# KiCad board Z3660_v021b.kicad_pcb (continued)
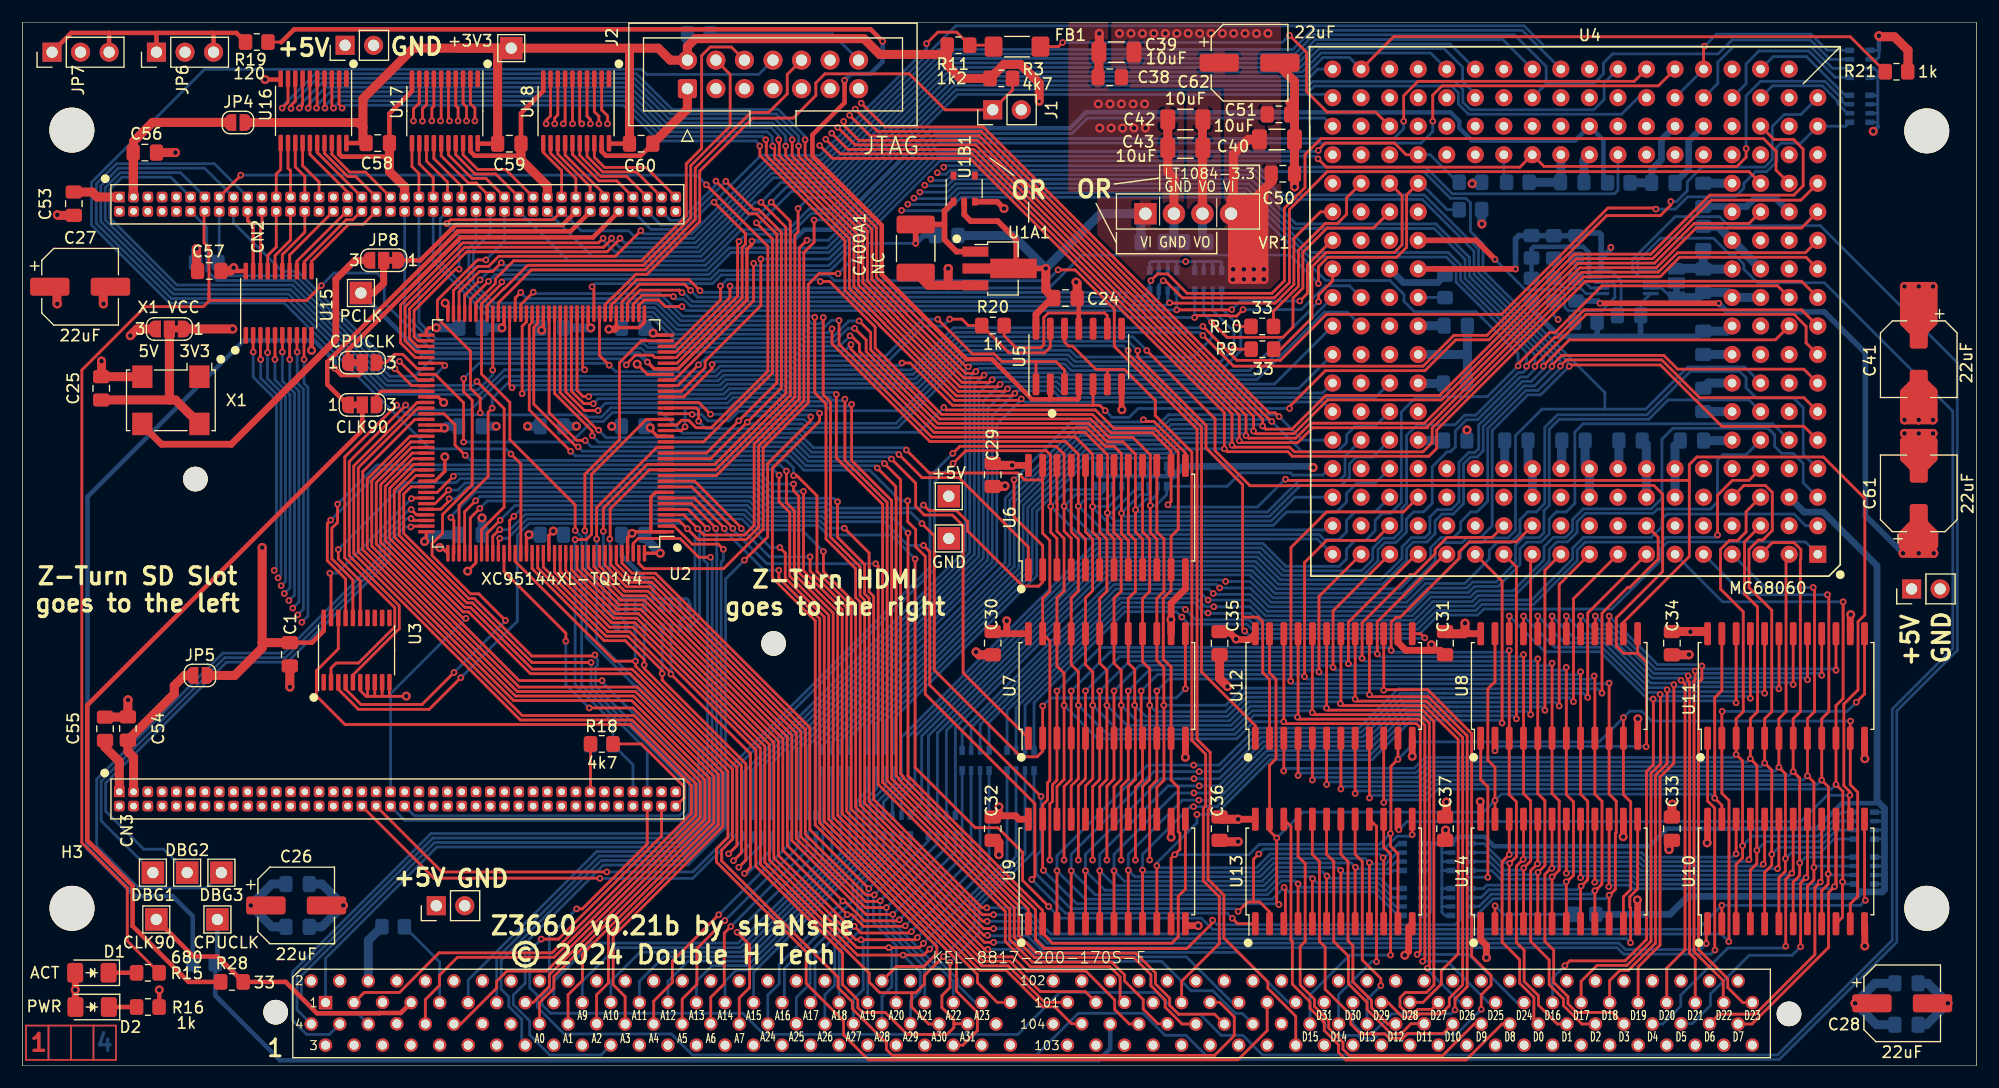
[diagram p0: board, top side]
## Routing (per net, layer and track width the routed paths; a pad name or vN(x,y) marks a point on that pad's centre or on a via; arc(x,y) is an arc through that point) (continued)
  In1.Cu w0.3: CN2.70 CN2.71 ; CN3.24 23.86,24.36 ; CN2.30 CN2.31 ; CN3.34 CN3.35 ; CN2.60 CN2.61 ; CN2.40 34.02,77.3 ; CN2.20 CN2.21
  Bottom w0.25: 164.94,86.36 RN2.1 165.14,86.36 ; U1.5 141.41,70.71 142.29,69.82 142.29,67.1 C63.2 ; CN3.67 50.56,24.4 R1.2 ; RN1.4 165.14,87.96 ; 165.14,87.96 165.14,86.36 ; 165.14,87.96 165.14,88.46 164.84,88.76 RN1.3 ; RN2.3 165.14,84.76 ; 165.14,84.76 165.14,83.96 ; 165.14,84.76 165.14,85.56 ; 165.14,83.96 165.14,83.56 ; 165.14,83.96 RN2.4 ; RN2.2 165.14,85.56 ; 165.14,85.56 165.14,86.36 ; JP12.1 146.74,68.35 145.88,69.21 U1.9
  Bottom w0.4: v1(164.74,83.16) 165.14,83.56
  Bottom w0.5: NT1.2 140.51,71.86 ; 140.51,71.86 140.51,70.93 140.53,70.91 ; 140.51,71.86 140.56,71.86 141.38,72.67 v2(141.38,72.82)
  Bottom w0.6: C47.2 153.47,76.45 154.21,77.2 156.04,77.2 U4.110 ; U4.132 145.88,82.39 145.88,80.63 145.01,79.76 145.01,78.55 C46.2
  Bottom w0.8: U4.47 134.39,52.98 134.01,53.37 C19.2 ; C20.2 144.54,55.26 144.54,53.14 U4.20 U4.43 ; U4.186 152.17,58.21 C17.2 ; C9.2 v1(45.09,47.24) ; C13.2 26.65,16.15 v1(28.55,14.25) 26.65,12.34 C11.2 ; C23.2 139.09,53.45 139.47,53.06 U4.45 ; 128.61,63.27 128.61,60.77 C16.2 ; 128.61,63.27 C49.2 ; 128.61,63.27 128.6,63.28 U4.191 ; U4.99 150.92,74.7 C48.2 ; C52.2 C44.2 ; C7.2 55.52,56.77 v1(55.88,56.77) ; C3.2 55.66,65.66 v1(56.13,65.19) ; U4.93 152.23,68.36 151.79,68.81 C21.2 149.14,68.35 JP12.1 ; C4.2 v1(42.67,65.66) ; CN1.10 30.78,11.14 R13.2 ; VR1.2 102.49,73.28 ; R17.1 15.41,72.63 v1(15.49,72.72) ; C2.2 50.58,65.66 v1(50.59,65.65) ; 145.01,78.55 145,78.56 R12.2 ; C12.2 169.6,7.32 v1(171.37,5.54) 169.47,3.63 C14.2 ; v1(49.3,56.91) 49.29,56.9 C6.2 ; C15.2 152.17,63.29 U4.190 ; U4.206 138.98,80.57 C45.2 ; C8.2 36.39,47.24 v1(35.79,46.65) ; v1(56.77,45.59) 55.39,46.97 C10.2 ; C22.2 128.57,56.57 v1(128.57,56.57) ; C5.2 37.72,56.9 v1(37.56,56.74) ; U4.42 U4.20 147.09,53.13 147.09,55.16 C18.2
  vias: v1(95.76,85.59) v1(95.89,83.44) v1(96.8,85.59) v1(96.9,83.44) v1(97.81,85.59) v1(97.92,83.44) v1(98.86,85.59) v1(98.93,83.44) v1(99.88,85.59) v1(99.95,83.44)
FC0: length 91.9
  Top w0.25: U2.85 35.13,59.01 29.49,53.37 29.49,45.58 36.5,38.57 36.5,38.56 38.24,36.82 38.25,36.82 44.31,30.75 54.27,30.75 59.94,25.08 59.94,22.26 47.31,9.63 38.72,9.63 37.11,8.03 37.11,7.12 35.86,5.87 CN1.20
FC1: length 87.7
  Top w0.25: CN1.24 39,3.7 42.21,6.9 42.21,7.49 43.12,8.41 46.65,8.41 60.34,22.09 60.34,25.25 54.43,31.15 44.48,31.15 38.41,37.22 38.41,37.22 36.9,38.73 36.9,38.74 29.89,45.74 29.89,53.2 35.2,58.51 U2.86
FC2: length 110
  Top w0.25: v2(68.63,52.51) 68.92,52.51 70.71,50.72 70.71,43.97 73.76,40.92 73.76,22.82 85.62,10.96 v2(86.44,10.96) ; U2.87 37.52,58.01 38.5,57.03 38.5,55.23 v2(39.41,54.31)
  Bottom w0.25: v2(39.41,54.31) 39.87,53.85 67.99,53.85 68.63,53.21 v2(68.63,52.51) ; CN1.125 107.67,5.6 103.6,9.67 90.74,9.67 89.45,10.96 v2(86.44,10.96)
FPGA_PRESENCE: length 28.2
  Top w0.25: v2(33.15,62.01) 34.65,60.51 U2.82
  Bottom w0.25: v2(33.15,62.01) 32.6,62.01 24.34,70.28 17.73,70.28 17.41,70.6 R17.2 17.41,71.45 17.51,71.55 CN2.16
I2C0_CLK: length 246.7
  Top w0.25: CN3.78 56.88,20.42 47.71,11.25 v2(46.18,11.25)
  Bottom w0.25: v2(46.18,11.25) 45.15,10.22 45.15,6.93 45.83,6.25 45.83,5.19 48.2,2.81 57.75,2.81 59.63,0.94 90.26,0.94 93.97,4.65 99.74,4.65 101.69,2.69 103.56,2.69 105.71,0.54 156.38,0.54 166.83,10.99 166.83,31.57 172.21,36.95 172.21,62.56 160.02,74.75 151.84,74.75 151.04,75.56 147.11,75.56 143.31,71.76 143.31,70.83 143.93,70.21 U1.7
I2C0_SDA: length 238
  Top w0.25: CN3.76 55.61,19.72 49.83,13.94 v2(49.33,13.94)
  Bottom w0.25: v2(49.33,13.94) 46.9,11.51 46.9,6.89 46.23,6.22 46.23,5.43 47.01,4.65 64.11,4.65 65.99,2.77 88.6,2.77 92.33,6.5 100.97,6.5 102.9,4.57 104.8,4.57 106.68,2.69 108.61,2.69 110.36,0.94 156.21,0.94 166.43,11.16 166.43,31.73 171.81,37.12 171.81,58.23 160.38,69.67 154.43,69.67 153.21,70.89 153.21,71.33 152.34,72.21 151.94,72.21 150.51,73.63 145.8,73.63 143.76,71.6 143.76,70.94 144,70.71 U1.6
INT6_ARM: length 40.2
  Top w0.25: v2(49.19,46.81) 50.19,46.81 50.66,47.28 50.66,52.63 55.54,57.51 U2.21
  Bottom w0.25: CN3.73 54.34,26.77 R1.1 52.56,30.52 49.19,33.89 v2(49.19,46.81)
LEBUS0: length 56.4
  Top w0.25: U2.52 47.86,59.89 51.2,56.55 v2(51.28,56.55) ; 89.54,44.12 89.54,46.14 83.35,52.32 80.07,52.32 v2(78.01,54.38)
  Bottom w0.25: v2(51.28,56.55) 51.95,55.88 68.94,55.88 70.23,54.59 77.8,54.59 v2(78.01,54.38)
LEBUS1: length 71.1
  Top w0.25: U2.53 47.36,59.82 50.71,56.48 50.71,56.07 v2(50.72,56.05) ; v2(77.35,53.98) 79.5,51.83 79.5,49.77 80.27,49 82.76,49 83.72,48.04 83.72,34.94 89.54,29.13
  Bottom w0.25: v2(50.72,56.05) 51.3,55.48 68.78,55.48 70.06,54.19 77.14,54.19 v2(77.35,53.98)
LEBUS2: length 146.6
  Top w0.25: v2(130.43,16.76) 130.43,24.8 129.79,25.44 U8.1 ; v2(50.09,55.63) 50.08,55.64 49.34,55.64 46.88,58.1 46.88,66.91 U2.54 ; v2(76.72,53.58) 78.16,52.14 78.16,25.96 78.42,25.7 78.42,25.61 90.17,13.86 90.17,11.21 90.98,10.41 103.64,10.41 105.93,12.69 v2(105.93,12.94)
  Bottom w0.25: v2(130.43,16.76) 128.74,16.76 128.04,16.06 128.04,13.06 127.51,12.53 106.33,12.53 v2(105.93,12.94) ; v2(76.72,53.58) 76.51,53.79 69.9,53.79 68.61,55.08 50.63,55.08 v2(50.09,55.63)
LEBUS3: length 87.3
  Top w0.25: v2(76.08,53.18) 77.73,51.53 77.73,50.48 77.76,50.45 77.76,25.79 78.02,25.54 78.02,25.44 89.54,13.93 89.54,12.62 ; U2.56 45.86,66.05 45.51,65.7 45.51,58.87 49.32,55.06 v2(49.46,55.06)
  Bottom w0.25: v2(76.08,53.18) 75.87,53.39 69.73,53.39 68.45,54.68 49.85,54.68 v2(49.46,55.06)
LEBUS4: length 105.7
  Top w0.25: U13.1 108.16,12.62 v2(107.68,13.11) ; v2(48.79,54.67) 45.11,58.36 45.11,65.88 45.36,66.13 U2.57 ; v2(78.79,50.27) 78.79,48.41 79.5,47.7 79.5,46.17 80.36,45.32 80.36,33.06 90.11,23.3 90.11,16.83 v2(89.84,16.56)
  Bottom w0.25: v2(48.79,54.67) 49.21,54.26 68.3,54.26 69.57,52.99 75.41,52.99 78.13,50.27 v2(78.79,50.27) ; v2(107.68,13.11) 107.22,13.56 92.83,13.56 v2(89.84,16.56)
LEBUS5: length 102.6
  Top w0.25: v2(44.48,59.8) 44.48,65.81 44.86,66.19 U2.58 ; U12.1 109.73,30.26 104.95,35.04 104.95,56.81 98.41,63.35 v2(98.41,63.63)
  Bottom w0.25: v2(98.41,63.63) 97.98,64.06 83.52,64.06 79.77,60.31 68.05,60.31 67.71,60.65 62.75,60.65 62.25,60.15 44.82,60.15 v2(44.48,59.8)
LEBUS6: length 174.3
  Top w0.25: U2.59 44.36,67.73 v2(45.46,68.83) ; v2(86.44,12.19) 85.56,12.19 74.56,23.18 74.56,41.26 74.15,41.66 74.15,44.23 71.52,46.86 71.52,58.88 70.52,59.88 v2(70.52,66.6) ; v2(150.65,10.27) 150.62,10.3 150.62,22.91 149.99,23.55 149.99,29.13
  Bottom w0.25: v2(86.44,12.19) 89.36,12.19 91.05,10.49 141.94,10.49 142.51,9.92 150.29,9.92 v2(150.65,10.27) ; v2(45.46,68.83) 45.59,68.71 56.73,68.71 58.74,66.69 70.42,66.69 v2(70.52,66.6)
LEBUS7: length 157.6
  Top w0.25: v2(149.88,10.86) 149.86,10.88 149.86,12.62 ; v2(44.35,68.81) 43.86,68.32 U2.60 ; v2(71.27,66.57) 71.27,59.69 71.92,59.05 71.92,47.03 74.55,44.39 74.55,41.83 74.96,41.42 74.96,23.35 85.47,12.84 v2(85.86,12.84)
  Bottom w0.25: v2(149.88,10.86) 149.34,10.32 142.68,10.32 142.1,10.89 91.22,10.89 89.27,12.84 v2(85.86,12.84) ; v2(71.27,66.57) 71.27,66.32 70.97,66.02 70.26,66.02 69.99,66.29 58.58,66.29 56.61,68.26 44.9,68.26 v2(44.35,68.81)
LEBUS_DMA: length 214.9
  Top w0.25: U13.14 122.43,21.07 v2(122.51,20.99) ; v2(101.96,49.91) 102.23,50.19 U6.14 102.23,54.67 100.6,56.31 96.88,56.31 95.24,57.95 81.81,57.95 75.9,63.86 75.9,65.73 71.85,69.78 v2(71.02,69.78) ; 142.49,38.43 142.49,39.44 148.36,45.31 148.36,52.11 ; v2(112.42,52.18) 112.52,52.08 148.34,52.08 148.36,52.11 ; 148.36,52.11 148.36,53.49 149.04,54.16 160.29,54.16 163.98,50.47 163.98,40.11 163.38,39.51 163.38,33.44 162.11,32.17 162.11,24.91 162.65,24.37 v2(162.65,24.06) 162.56,23.96 162.56,21.92 ; U2.34 58.02,64.01 62.13,68.12 v2(62.13,69.38)
  Bottom w0.25: v2(71.02,69.78) 70.84,69.96 62.7,69.96 v2(62.13,69.38) ; v2(101.96,49.91) 102.16,49.71 109.92,49.71 112.39,52.18 v2(112.42,52.18) ; v2(122.51,20.99) 123.23,21.71 158.29,21.71 160.64,24.06 v2(162.65,24.06)
LED: length 166.9
  Top w0.25: v2(81.46,66.43) 84.55,63.34 86.49,63.34 87.17,62.66 90.16,62.66 ; v2(26.61,69.42) 25.29,68.1 16.65,68.1 ; 16.65,68.1 16.6,68.15 16.6,68.76 ; 16.65,68.1 16.1,67.54 10.93,67.54 5.28,61.9 5.28,19.84 9.33,15.79 9.33,11.09 R15.1 ; 90.16,62.66 90.21,62.61 U5.1 ; 90.16,62.66 91.99,62.66 92.75,61.9 U5.3 ; 16.6,68.76 16.6,72.78 16.16,73.22 16.16,75.95 CN2.14 ; 16.6,68.76 16.6,68.3
  Bottom w0.25: v2(81.46,66.43) 80.12,66.43 76.86,63.17 69.15,63.17 68.83,63.49 55.43,63.49 55.06,63.86 36.24,63.86 32.21,67.89 32.21,69.88 31.55,70.54 27.73,70.54 v2(26.61,69.42)
LEDR: length 23.5
  Top w0.4: JP6.3 17.01,91.84 16.94,91.91 ; JP7.1 4.35,91.91 7.7,91.91 ; 16.94,91.91 19.04,91.91 R19.2 ; 16.94,91.91 12.01,91.91 ; JP6.1 11.93,91.82 12.01,91.91 ; 7.7,91.91 12.01,91.91 ; 7.7,91.91 7.71,91.89 JP7.3
nTBI_FPGA: length 70.8
  Top w0.25: v2(50.61,35.87) 45.35,35.87 40.04,41.18 39.55,41.18 33.53,47.19 33.53,51.03 35.01,52.51 U2.98
  Bottom w0.25: v2(50.61,35.87) 50.61,33.6 58.98,25.24 58.98,22.72 58.48,22.23 34.89,22.23 34.02,23.09
nTS_FPGA: length 72.5
  Top w0.25: U2.100 34.58,51.51 33.93,50.87 33.93,47.36 39.71,41.58 40.21,41.58 45.34,36.45 50.86,36.45 v2(50.96,36.54)
  Bottom w0.25: CN3.40 34.02,21.83 58.69,21.83 59.38,22.51 59.38,25.4 51.01,33.77 51.01,35.46 51.19,35.64 51.19,36.11 50.96,36.35 v2(50.96,36.54)
OEBUS0: length 90.2
  Top w0.25: U6.13 103.51,54.54 100.71,57.33 99.92,57.33 v2(99.77,57.48) ; v2(80.2,49.89) 80.69,49.4 83.13,49.4 84.12,48.41 84.12,47.59 89.04,42.67 90.44,42.67 90.8,43.03 90.8,46.28 88.26,48.83 v2(88.26,52.13) ; v2(37.97,50.44) 37.97,50.25 37.24,49.51 U2.104
  Bottom w0.25: v2(88.26,52.13) 93.4,57.28 99.57,57.28 v2(99.77,57.48) ; v2(80.2,49.89) 79.92,49.6 72.12,49.6 71.64,50.08 66.55,50.08 65.18,51.45 39.55,51.45 38.54,50.44 v2(37.97,50.44)
OEBUS1: length 96.2
  Top w0.25: 103.51,38.43 v2(103.51,33.53) ; v2(90.81,32) 90.8,32 U7.2 90.8,27.98 90.31,27.48 88.87,27.48 81.16,35.2 81.16,47.14 v2(80.06,48.23) ; U2.110 38.4,45.64 38.4,48.52 v2(38.13,48.78)
  Bottom w0.25: v2(38.13,48.78) 38.13,48.88 40.31,51.05 65.01,51.05 66.38,49.68 71.48,49.68 71.96,49.2 79.09,49.2 v2(80.06,48.23) ; v2(90.81,32) 91.53,32.72 102.7,32.72 v2(103.51,33.53)
OEBUS2: length 170.6
  Top w0.25: U2.111 38.86,49.85 41.45,52.44 41.45,58.16 v2(41.81,58.51) ; v2(144.52,28.38) 144.55,28.41 144.55,35.9 143.76,36.69 ; 143.76,36.69 142.51,36.69 141.86,37.34 141.86,39.84 145.99,43.97 145.99,50.85 145.21,51.62 112.68,51.62 112.66,51.61 109.26,51.61 106.15,54.72 106.15,57.56 v2(100.08,63.63) ; 143.76,36.69 143.76,38.43
  Bottom w0.25: v2(131.06,28.02) 131.46,28.41 144.49,28.41 v2(144.52,28.38) ; v2(100.08,63.63) 98.85,64.86 83.19,64.86 79.43,61.11 68.38,61.11 68.04,61.45 62.42,61.45 61.91,60.95 43.39,60.95 41.81,59.37 v2(41.81,58.51)
OEBUS3: length 109.1
  Top w0.25: U9.13 103.51,15.7 102.87,15.06 102.87,11.47 102.29,10.88 91.68,10.88 90.8,11.75 U9.2 90.8,13.79 78.82,25.78 v2(78.82,47.4) ; U2.112 39.36,49.29 v2(40.34,50.27)
  Bottom w0.25: v2(78.82,47.4) 77.41,48.8 71.79,48.8 71.32,49.28 71.27,49.28 71.26,49.28 66.22,49.28 64.85,50.65 40.72,50.65 v2(40.34,50.27)
OEBUS4: length 123.6
  Top w0.25: v2(110.04,18.83) 109.58,18.37 109.58,14.55 ; U13.2 111,13.68 110.13,14.55 109.04,14.55 v2(108.2,13.72) ; U13.13 v2(123.7,20.56) ; v2(40.71,49.59) 39.86,48.74 U2.113 ; v2(90.66,23.96) 80.76,33.86 80.76,45.73 v2(80.2,46.29)
  Bottom w0.25: v2(123.7,20.56) 123.56,20.41 122.34,20.41 121.21,19.28 110.49,19.28 v2(110.04,18.83) ; v2(108.2,13.72) 107.95,13.97 93.31,13.97 90.24,17.04 90.24,18.69 90.66,19.12 v2(90.66,23.96) ; v2(80.2,46.29) 78.81,46.29 76.7,48.4 71.63,48.4 71.15,48.88 66.05,48.88 64.68,50.25 41.37,50.25 v2(40.71,49.59)
OEBUS5: length 123.8
  Top w0.25: U2.61 43.36,60.54 v2(43.58,60.32) ; v2(108.79,38.67) 108.6,38.86 108.6,39.9 ; v2(99.26,63.63) 99.26,63.06 105.35,56.98 105.35,54.96 108.6,51.7 108.6,39.9 ; 108.6,39.9 109.98,39.9 110.39,39.5 110.39,34.98 111,34.37 U12.2 ; v2(124.81,38.06) 124.45,38.43 123.7,38.43
  Bottom w0.25: v2(43.58,60.32) 43.8,60.55 62.08,60.55 62.58,61.05 67.88,61.05 68.22,60.71 79.6,60.71 83.35,64.46 98.43,64.46 v2(99.26,63.63) ; v2(124.81,38.06) 124.77,38.02 109.43,38.02 v2(108.79,38.67)
OEBUS6: length 181.5
  Top w0.25: v2(151.28,31.52) 151.26,31.5 U11.2 151.26,24.23 151.89,23.6 151.89,11.05 v2(151.87,11.03) ; v2(85.83,14.04) 85.4,14.04 75.76,23.68 75.76,41.75 75.35,42.16 75.35,45.63 v2(73.15,47.83) ; v2(42.52,48.54) 41.36,47.38 U2.116 ; v2(163.22,32.33) 163.96,33.07 163.96,38.43
  Bottom w0.25: v2(42.52,48.54) 43.83,49.85 64.52,49.85 65.88,48.48 70.13,48.48 70.14,48.48 70.99,48.48 71.63,47.83 v2(73.15,47.83) ; v2(85.83,14.04) 89.2,14.04 91.53,11.71 151.2,11.71 v2(151.87,11.03) ; v2(163.22,32.33) 162.41,31.52 v2(151.28,31.52)
OEBUS7: length 161.7
  Top w0.25: U10.2 v2(151.26,14.26) ; v2(79.45,45.09) 79.45,26.52 84.81,21.16 86.82,21.16 89.02,18.97 89.02,16.47 v2(91.34,14.16) ; v2(164.03,14.71) 163.96,14.78 U10.13 ; U2.120 43.36,48.51 v2(43.74,48.89)
  Bottom w0.25: v2(43.74,48.89) 44.29,49.45 64.35,49.45 65.73,48.08 70.82,48.08 71.68,47.22 77.32,47.22 v2(79.45,45.09) ; v2(164.03,14.71) 163.58,14.26 v2(151.26,14.26) 149.12,12.12 105.93,12.12 104.93,13.12 92.37,13.12 v2(91.34,14.16)
PCLK: length 139.4
  Top w0.3: v2(64.92,73.38) 64.92,73.09 64.48,72.64 64.48,68.13 58.36,62.01 U2.30 56.23,62.01 v2(55.63,62.61)
  Top w0.6: 31.54,69.03 31.28,68.76 TP9.1 ; 31.54,69.03 32.15,69.63 ; 31.54,69.03 32.15,69.63 ; 32.15,69.63 JP8.2 32.15,69.63
  Bottom w0.4: R12.1 140.72,78.93 140.72,82.36 U4.135 138.19,82.32 129.02,82.32 127.88,83.46 127.88,84.06 127.11,84.84 94.64,84.84 93.23,83.43 81,83.43 71.97,74.4 69.6,74.4 68.58,73.38 v2(64.92,73.38) ; TP9.1 35.5,63.38 54.85,63.38 v2(55.63,62.61)
PCLK_FPGA: length 17.6
  Top w0.4: CN2.66 49.26,75.99 48.07,74.8 38.54,74.8 35.41,71.67 JP8.1
PCLK_OSC: length 30.9
  Top w0.6: JP8.3 29.58,71.67 27.89,69.98 27.89,64.59 18.59,55.3 12.38,55.3 10.67,57.01 X1.3
PS_MIO0: length 49
  Top w0.25: U2.78 37.39,62.51 v2(37.59,62.31)
  Bottom w0.25: CN2.11 13.2,79.07 8.87,79.07 7.77,77.97 7.77,75.44 13.74,69.47 24.02,69.47 32.54,60.94 36.23,60.94 v2(37.59,62.31)
PS_MIO8: length 69.6
  Top w0.25: v2(40.45,60.88) 42.88,58.46 42.88,49.71 40.86,47.69 U2.115
  Bottom w0.25: CN2.13 14.07,79.47 8.7,79.47 7.37,78.14 7.37,75.28 13.58,69.07 23.85,69.07 32.39,60.53 40.1,60.53 v2(40.45,60.88)
PS_MIO9: length 75
  Top w0.25: v2(19.43,79.25) 19.43,79.22 CN2.15 ; v2(60.87,78.39) 66.34,72.91 66.34,61.8 61.32,56.77 59.95,56.77 59.29,57.43 58.67,57.43 58.25,57.01 U2.20
  Bottom w0.25: v2(19.43,79.25) 60.01,79.25 v2(60.87,78.39)
PS_MIO12: length 63.8
  Top w0.25: U2.64 v2(41.86,61.9)
  Bottom w0.25: 18.78,77.3 16.21,79.87 8.54,79.87 6.97,78.3 6.97,75.11 13.41,68.67 23.69,68.67 32.22,60.13 40.53,60.13 41.86,61.46 v2(41.86,61.9)
PS_MIO13: length 74.7
  Top w0.25: v2(50.04,61.92) 49.86,62.11 U2.48
  Bottom w0.25: v2(50.04,61.92) 50.04,61.92 42.89,61.92 40.7,59.73 32.06,59.73 23.52,68.27 13.25,68.27 6.57,74.95 6.57,78.47 8.37,80.27 17.08,80.27 CN2.19
PS_MIO15: length 24
  Top w0.25: U2.81 35.21,61.01 v2(33.55,62.68)
  Bottom w0.25: 18.78,76.03 18.78,75.02 23.11,70.69 24.49,70.69 32.51,62.68 v2(33.55,62.68)
PUP_4: length 8.9
  Top w0.25: v2(131.08,14.22) 131.06,14.2 U14.2
  Bottom w0.25: R14.2 131.84,13.46 v2(131.08,14.22)
R_W: length 83.9
  Top w0.25: CN1.5 30.41,6.5 33.55,6.5 37.08,10.03 47.14,10.03 59.54,22.43 59.54,24.92 54.1,30.35 28.7,30.35 26.16,32.89 26.16,35.14 28.11,37.09 U3.18
R_W040: length 164
  Top w0.25: v2(40.74,58.09) 40.74,59.41 39.88,60.28 39.88,63.58 36.93,66.52 36.93,68.12 40.51,71.7 v2(41.25,71.7) ; U2.19 58.63,56.51 v2(58.98,56.85) ; U4.112 120.25,74.55 116.13,74.55 113.97,72.39 113.97,69.19 113.08,68.3 113.08,65.71 112.18,64.81 107.21,64.81 v2(105.84,66.18) ; U3.2 27.46,35.37 27.91,35.82 29.92,35.82 33.14,39.05 33.14,40.75 28.69,45.2 28.69,54.16 v2(33.3,58.78)
  Bottom w0.25: RN20.7 105.14,66.89 v2(105.84,66.18) 105.84,64.73 104.17,63.06 93.84,63.06 93.24,63.66 83.68,63.66 78.3,58.28 71.95,58.28 71.52,58.71 67.39,58.71 67.05,59.05 63.42,59.05 62.92,58.55 59.06,58.55 59.05,58.55 ; v2(58.98,56.86) 58.98,58.47 59.05,58.55 ; 59.05,58.55 52.36,58.55 51.53,57.72 50.3,57.72 50.1,57.91 40.92,57.91 v2(40.74,58.09) 40.59,57.94 34.14,57.94 v2(33.3,58.78) ; v2(41.25,71.7) 42.91,73.36 CN2.56
RESETOUT: length 40
  Top w0.25: U2.27 58.32,60.51 v2(60.18,62.37) ; v2(82.53,66.43) 83.62,66.43 84.19,65.86 R20.1 87.8,63.44 90.98,63.44 91.48,63.93 U5.13
  Bottom w0.25: v2(82.53,66.43) 81.91,65.81 80.17,65.81 77.07,62.71 69.04,62.71 68.7,63.05 60.86,63.05 v2(60.18,62.37)
SIZ0: length 114.1
  Top w0.25: CN1.121 106.56,5.63 107.86,4.33 107.86,2.66 106.11,0.91 77.42,0.91 76.9,1.43 76.9,2.02 73.86,5.06 73.86,5.67 72.59,6.94 72.59,7.86 62.23,18.22 62.23,19.18 63.19,20.13 63.19,26.36 54.84,34.71 54.83,34.71 54.26,35.27 45.38,35.27 39.88,40.78 39.38,40.78 33.09,47.07 33.09,51.2 34.9,53.01 U2.97
SIZ1: length 118.1
  Top w0.25: U2.96 34.83,53.51 32.69,51.37 32.69,46.9 39.22,40.38 39.71,40.38 45.21,34.87 54.09,34.87 54.66,34.31 54.67,34.31 62.79,26.19 62.79,20.3 61.77,19.28 61.77,18.11 69.76,10.13 69.76,7.3 73.09,3.97 73.09,2.72 75.3,0.51 108.19,0.51 110.79,3.11 CN1.129
SIZ40_0: length 97.6
  Top w0.25: U2.14 61.25,54.01 64.5,57.27 v2(64.52,57.27) 67.54,60.29 67.54,74.16 65.5,76.21 65.09,76.21 v2(62.6,78.7) ; R10.2 108.4,65.79 v2(108.08,66.11)
  Bottom w0.25: CN2.76 56.82,74.82 58.73,74.82 62.6,78.69 v2(62.6,78.7) ; RN20.5 106.74,67.37 108,66.11 v2(108.08,66.11) 108.43,65.76 108.43,63.61 107.08,62.26 93.51,62.26 92.91,62.86 84.01,62.86 77.91,56.76 69.76,56.76 69.41,57.11 64.67,57.11 v2(64.52,57.27)
SIZ40_1: length 95.2
  Top w0.25: R9.2 107.92,63.75 v2(107.84,63.83) ; U2.15 60.89,54.51 v2(63.75,57.38) 67.14,60.77 67.14,74 65.33,75.81 64.63,75.81 v2(61.72,78.71)
  Bottom w0.25: CN2.78 57.69,75.22 58.56,75.22 61.72,78.38 v2(61.72,78.71) ; RN20.6 105.94,67.23 107.84,65.32 v2(107.84,63.83) 106.66,62.66 93.68,62.66 93.07,63.26 83.85,63.26 77.75,57.16 69.93,57.16 69.58,57.51 66.89,57.51 66.56,57.84 64.22,57.84 v2(63.75,57.38)
TCK: length 42.6
  Top w0.25: J2.6 63.09,90.65 61.21,90.65 60.45,89.89 60.45,81.63 59.08,80.26 59.08,75.61 55.09,71.63 43.72,71.63 42.09,70 42.09,69.6 40.36,67.87 U2.67
TDI: length 40.6
  Top w0.25: U2.63 42.36,67.89 45.3,70.83 55.43,70.83 59.88,75.28 59.88,79.87 64.84,84.83 66.41,84.83 68.07,86.49 68.07,88.21 J2.10
TDO: length 124.3
  Top w0.25: v2(43.47,54.43) 44.36,53.55 U2.122
  Bottom w0.25: J2.8 65.53,88.21 55.55,88.21 55.1,88.67 16.2,88.67 6.15,78.61 6.15,74.8 13.08,67.87 23.3,67.87 36.28,54.89 43.02,54.89 v2(43.47,54.43)
THERM_N: length 10
  Top w0.5: v2(132.89,70.89) 132.88,70.9 U4.196
  Bottom w0.5: v2(132.89,70.89) NT3.2
THERM_P: length 24.7
  Top w0.5: v2(131.06,71.75) 129.37,73.44 U4.197
  Bottom w0.25: v2(131.06,71.75) 133.76,69.06 136.84,69.06 137.27,68.63 137.27,67.5 137.59,67.17 138.18,67.17 ; 138.18,67.17 138.16,67.15 R30.1 ; 138.18,67.17 140.55,67.17 141.73,68.35 141.73,69.47 141.49,69.71 U1.3
TM0: length 71.9
  Top w0.25: U2.40 53.86,67.91 54.97,69.01 58.48,69.01 v2(58.7,68.79) ; U4.114 115.53,75.98 113.17,73.62 113.17,69.52 111.5,67.86 102.14,67.86 v2(102.11,67.89)
  Bottom w0.25: 101.94,68.36 101.94,68.16 ; 101.94,68.36 101.94,67.86 ; 101.94,68.36 RN19.6 ; 101.94,67.86 102.08,67.86 v2(102.11,67.89) ; 101.94,67.86 101.74,67.66 98.56,67.66 98.22,67.99 59.64,67.99 58.83,68.79 v2(58.7,68.79)
TM1: length 69.7
  Top w0.25: U2.39 54.36,67.76 55.15,68.55 57.82,68.55 v2(57.94,68.44) ; v2(102.74,67.25) 107.61,67.25 v2(107.64,67.28) ; U4.108 116.56,73.44 114.37,71.26 114.37,68.73 v2(113.69,68.05)
  Bottom w0.25: RN19.5 v2(102.74,67.25) 98.3,67.25 97.96,67.59 59.47,67.59 58.84,68.22 58.16,68.22 v2(57.94,68.44) ; v2(107.64,67.28) 108.4,68.05 v2(113.69,68.05)
TM2: length 69.9
  Top w0.25: v2(58.7,67.55) 57.2,67.55 56.63,68.12 55.33,68.12 54.86,67.66 U2.38 ; v2(108.64,67.28) 108.06,66.71 107.4,66.71 107.35,66.76 104.5,66.76 v2(104.32,66.58)
  Bottom w0.25: v2(58.7,67.55) 59.06,67.19 97.8,67.19 98.41,66.58 v2(104.32,66.58) 104.34,66.59 RN20.8 ; U4.95 118.11,69.4 115.96,69.4 113.84,67.28 v2(108.64,67.28)
TMS: length 38.1
  Top w0.25: U2.65 41.36,67.66 42.86,69.17 42.9,69.17 44.96,71.23 55.26,71.23 59.48,75.45 59.48,80.09 62.99,83.6 62.99,88.21 J2.4
TT0: length 114.6
  Top w0.25: U2.41 53.36,67.97 54.93,69.54 58.92,69.54 v2(59.47,68.99) ; U4.117 153.67,79.56 116.14,79.56 112.77,76.19 112.77,69.69 111.41,68.33 103.24,68.33 101.71,69.86 v2(101.54,69.86)
  Bottom w0.25: v2(101.54,69.86) 101.14,69.46 RN19.7 101.14,68.31 100.89,68.06 98.72,68.06 98.39,68.39 60.06,68.39 v2(59.47,68.99)
TT1: length 123
  Top w0.25: U4.116 156.08,79.69 156.08,81.38 154.96,82.5 115.58,82.5 114.16,81.08 114.16,78.15 112.32,76.31 112.32,69.84 111.21,68.73 103.66,68.73 101.94,70.46 101.04,70.46 v2(100.44,69.85) ; U2.43 52.43,67 52.43,67.73 52.64,67.94 52.68,67.94 54.68,69.94 59.33,69.94 v2(60.3,68.97)
  Bottom w0.25: v2(60.3,68.97) 60.46,68.81 98.54,68.81 98.89,68.46 99.84,68.46 RN19.8 100.34,69.76 v2(100.44,69.85)
V_DETECTOR: length 61.1
  Top w0.25: U2.143 54.86,44.68 55.32,44.22 62.41,44.22 65.93,47.74 65.93,54.98 69.94,59 69.94,69.52 70.91,70.49 v2(72.59,70.49)
  Top w0.5: v2(79.5,73.18) C400A1.1 82.04,74.86 82.07,74.89 ; 84.52,72.44 83.14,72.44 82.07,73.51 82.07,76.08 82.87,76.88
  Bottom w0.25: v2(79.5,73.18) 75.29,73.18 v2(72.59,70.49)
  Bottom w0.5: R2.1 80.2,73.87 v2(79.5,73.18)
Net-(CN2-Pin_22): length 5.4
  Top w0.25: CN2.22 21.32,74.84 21.18,74.7 21.18,70.72 U15.18
Net-(CN2-Pin_23): length 5
  Top w0.25: U16.11 22.98,79.75 22.59,79.36 CN2.23
Net-(CN2-Pin_24): length 5.6
  Top w0.25: CN2.24 22.59,72.86 21.83,72.1 U15.17
Net-(CN2-Pin_25): length 4.9
  Top w0.25: 23.86,77.3 23.86,79.65 23.63,79.87 U16.12
Net-(CN2-Pin_26): length 5.9
  Top w0.25: U15.16 22.48,72.09 23.86,73.47 23.86,76.03
Net-(CN2-Pin_27): length 5.2
  Top w0.25: CN2.27 25.13,79.14 24.28,79.98 U16.13
Net-(CN2-Pin_28): length 6.1
  Top w0.25: U15.15 23.13,72.17 25.13,74.17 CN2.28
Net-(CN2-Pin_29): length 5.4
  Top w0.25: U16.14 24.93,80.1 26.4,78.63 CN2.29
Net-(CN2-Pin_32): length 6.9
  Top w0.25: CN2.32 23.78,72.14 U15.14
Net-(CN2-Pin_33): length 6.2
  Top w0.25: CN2.33 28.94,77.74 25.58,81.1 U16.15
Net-(CN2-Pin_34): length 7.2
  Top w0.25: CN2.34 28.87,76.03 24.43,71.59 U15.13
Net-(CN2-Pin_35): length 6.4
  Top w0.25: CN2.35 26.23,81.27 U16.16
Net-(CN2-Pin_36): length 7.8
  Top w0.25: U15.12 25.08,71.54 28.82,75.28 29.39,75.28 30.14,76.03 CN2.36
Net-(CN2-Pin_37): length 7.1
  Top w0.25: 26.88,82.1 26.88,81.19 28.95,79.12 29.65,79.12 CN2.37
Net-(CN2-Pin_38): length 8.5
  Top w0.25: U15.11 25.73,71.58 29.03,74.88 30.33,74.88 CN2.38
Net-(CN2-Pin_39): length 7.8
  Top w0.25: U16.18 27.53,81.11 29.12,79.52 30.52,79.52 CN2.39
Net-(CN2-Pin_43): length 5
  Top w0.25: U17.11 34.67,80.01 35.29,79.39 CN2.43
Net-(CN2-Pin_45): length 5.3
  Top w0.25: CN2.45 36.56,79.01 35.32,80.25 U17.12
Net-(CN2-Pin_47): length 5.6
  Top w0.25: U17.13 35.97,80.49 37.83,78.63 CN2.47
Net-(CN2-Pin_49): length 5.8
  Top w0.25: CN2.49 39.1,78.25 36.62,80.73 U17.14
Net-(CN2-Pin_53): length 7
  Top w0.25: 41.64,77.3 40.38,78.56 39.68,78.56 37.27,80.97 37.27,82.08
Net-(CN2-Pin_55): length 7.6
  Top w0.25: U17.16 37.92,81.05 40.01,78.96 41.25,78.96 CN2.55
Net-(CN2-Pin_57): length 8.2
  Top w0.25: CN2.57 42.12,79.36 40.28,79.36 38.57,81.07 38.57,82.08
Net-(CN2-Pin_59): length 8.8
  Top w0.25: U17.18 39.22,81.05 40.51,79.76 42.99,79.76 CN2.59
Net-(CN2-Pin_63): length 5.5
  Top w0.25: U18.11 46.35,81.28 47.99,79.65 CN2.63
Net-(CN2-Pin_65): length 5.7
  Top w0.25: CN2.65 49.26,78.94 47,81.2 U18.12
Net-(CN2-Pin_67): length 6
  Top w0.25: CN2.67 50.53,78.24 47.65,81.11 47.65,82.08
Net-(CN2-Pin_69): length 6.2
  Top w0.25: CN2.69 51.8,77.53 48.3,81.03 U18.14
Net-(CN2-Pin_73): length 7.9
  Top w0.25: U18.15 48.95,81.1 51.31,78.74 52.9,78.74 CN2.73
Net-(CN2-Pin_75): length 8.6
  Top w0.25: 49.6,82.08 49.6,81.01 51.47,79.14 53.77,79.14 CN2.75
Net-(CN2-Pin_77): length 9.3
  Top w0.25: U18.17 50.25,80.93 51.64,79.54 54.64,79.54 CN2.77
Net-(CN2-Pin_79): length 10
  Top w0.25: U18.18 50.9,80.84 51.8,79.94 55.51,79.94 CN2.79
Net-(D1-K): length 2.5
  Top w0.4: R15.2 D1.1
Net-(D2-K): length 2.5
  Top w0.4: R16.2 D2.1
Net-(J1-A): length 51.9
  Top w0.25: R3.1 88.12,86.83 J1.1 82.13,85.06 78.93,88.27 71.42,88.27 70.61,87.45 70.61,86.33 68.61,84.33 65,84.33 60.28,79.61 60.28,75.12 55.59,70.43 54.6,70.43 52.51,68.34 52.47,68.34 51.86,67.72 U2.44
Net-(J2-Pin_14): length 14.2
  Bottom w0.25: J2.14 72.09,91.82 R4.2
Net-(JP9-C): length 68.1
  Top w0.4: R28.1 14.78,7.44 9.8,12.41 9.8,15.99 5.76,20.03 5.76,32.06 30.25,56.55 JP9.2
Net-(JP10-C): length 80.2
  Top w0.4: v2(27.79,62.05) 28.38,61.46 29.94,61.46 30.25,61.77 JP10.2
  Bottom w0.4: R29.1 15.15,13.29 13.36,15.09 10.03,15.09 5.79,19.33 5.79,50.62 19.71,64.54 25.96,64.54 27.79,62.71 v2(27.79,62.05)
Net-(JP11-C): length 15.9
  Top w0.8: X1.4 13.62,59.24 13.08,59.24 ; 13.08,59.24 C25.1 ; 13.08,59.24 13.08,65.56 JP11.2
